# Altium PCB TopSheet.PcbDoc
Units mil, origin at the board's own origin, x right, y up, seen from the top; angles counter-clockwise.
Board outline 5000 x 5000 mil, 2 copper layers (Top Layer, Bottom Layer); 99 components, 47 nets, 191 pads, 21 vias.
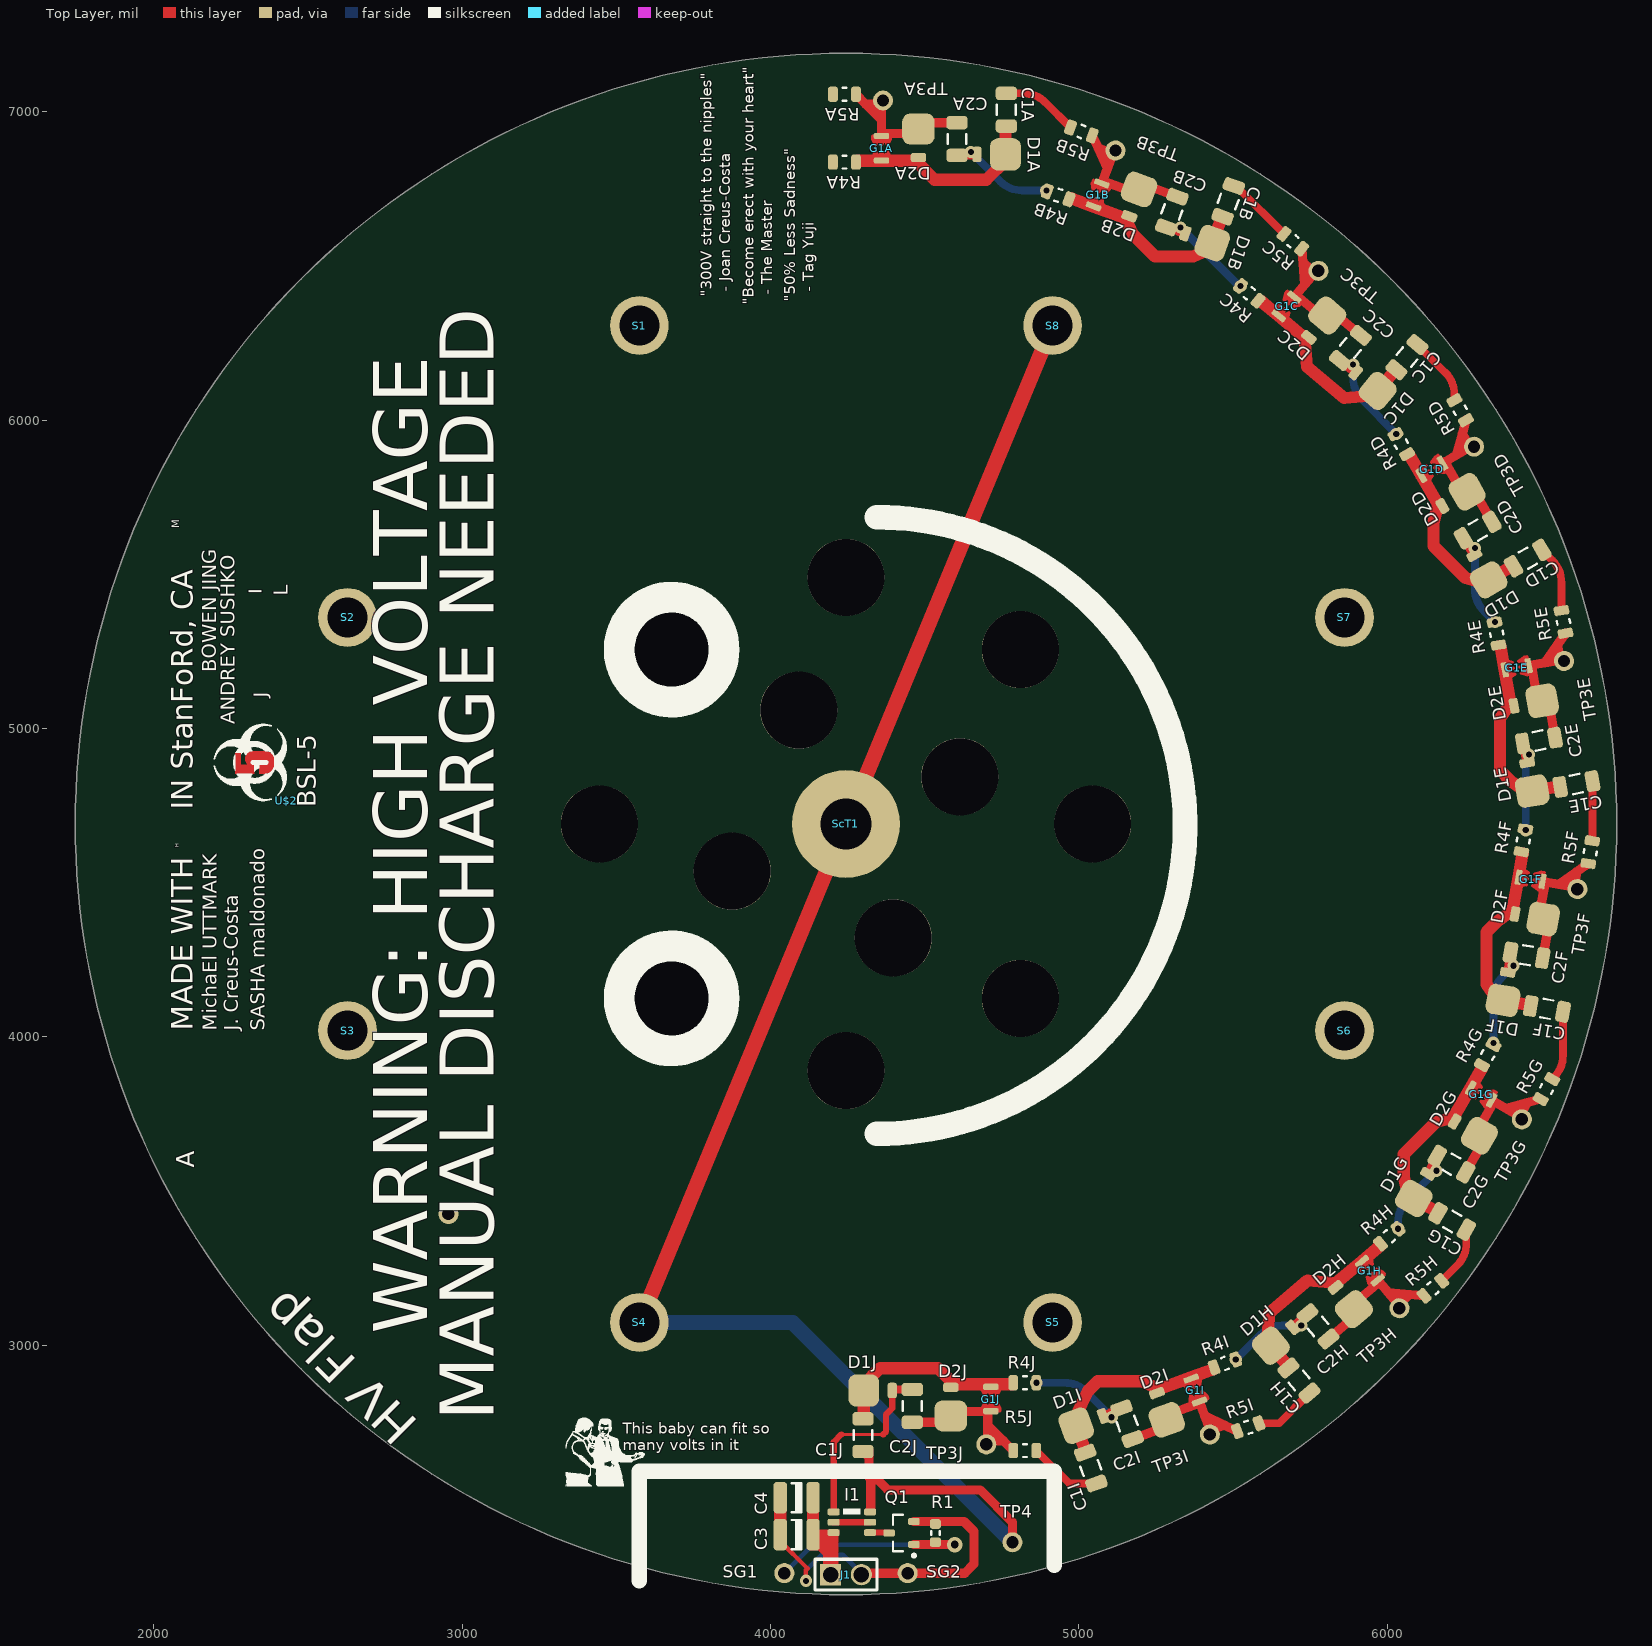
[diagram p0: Top Layer view]
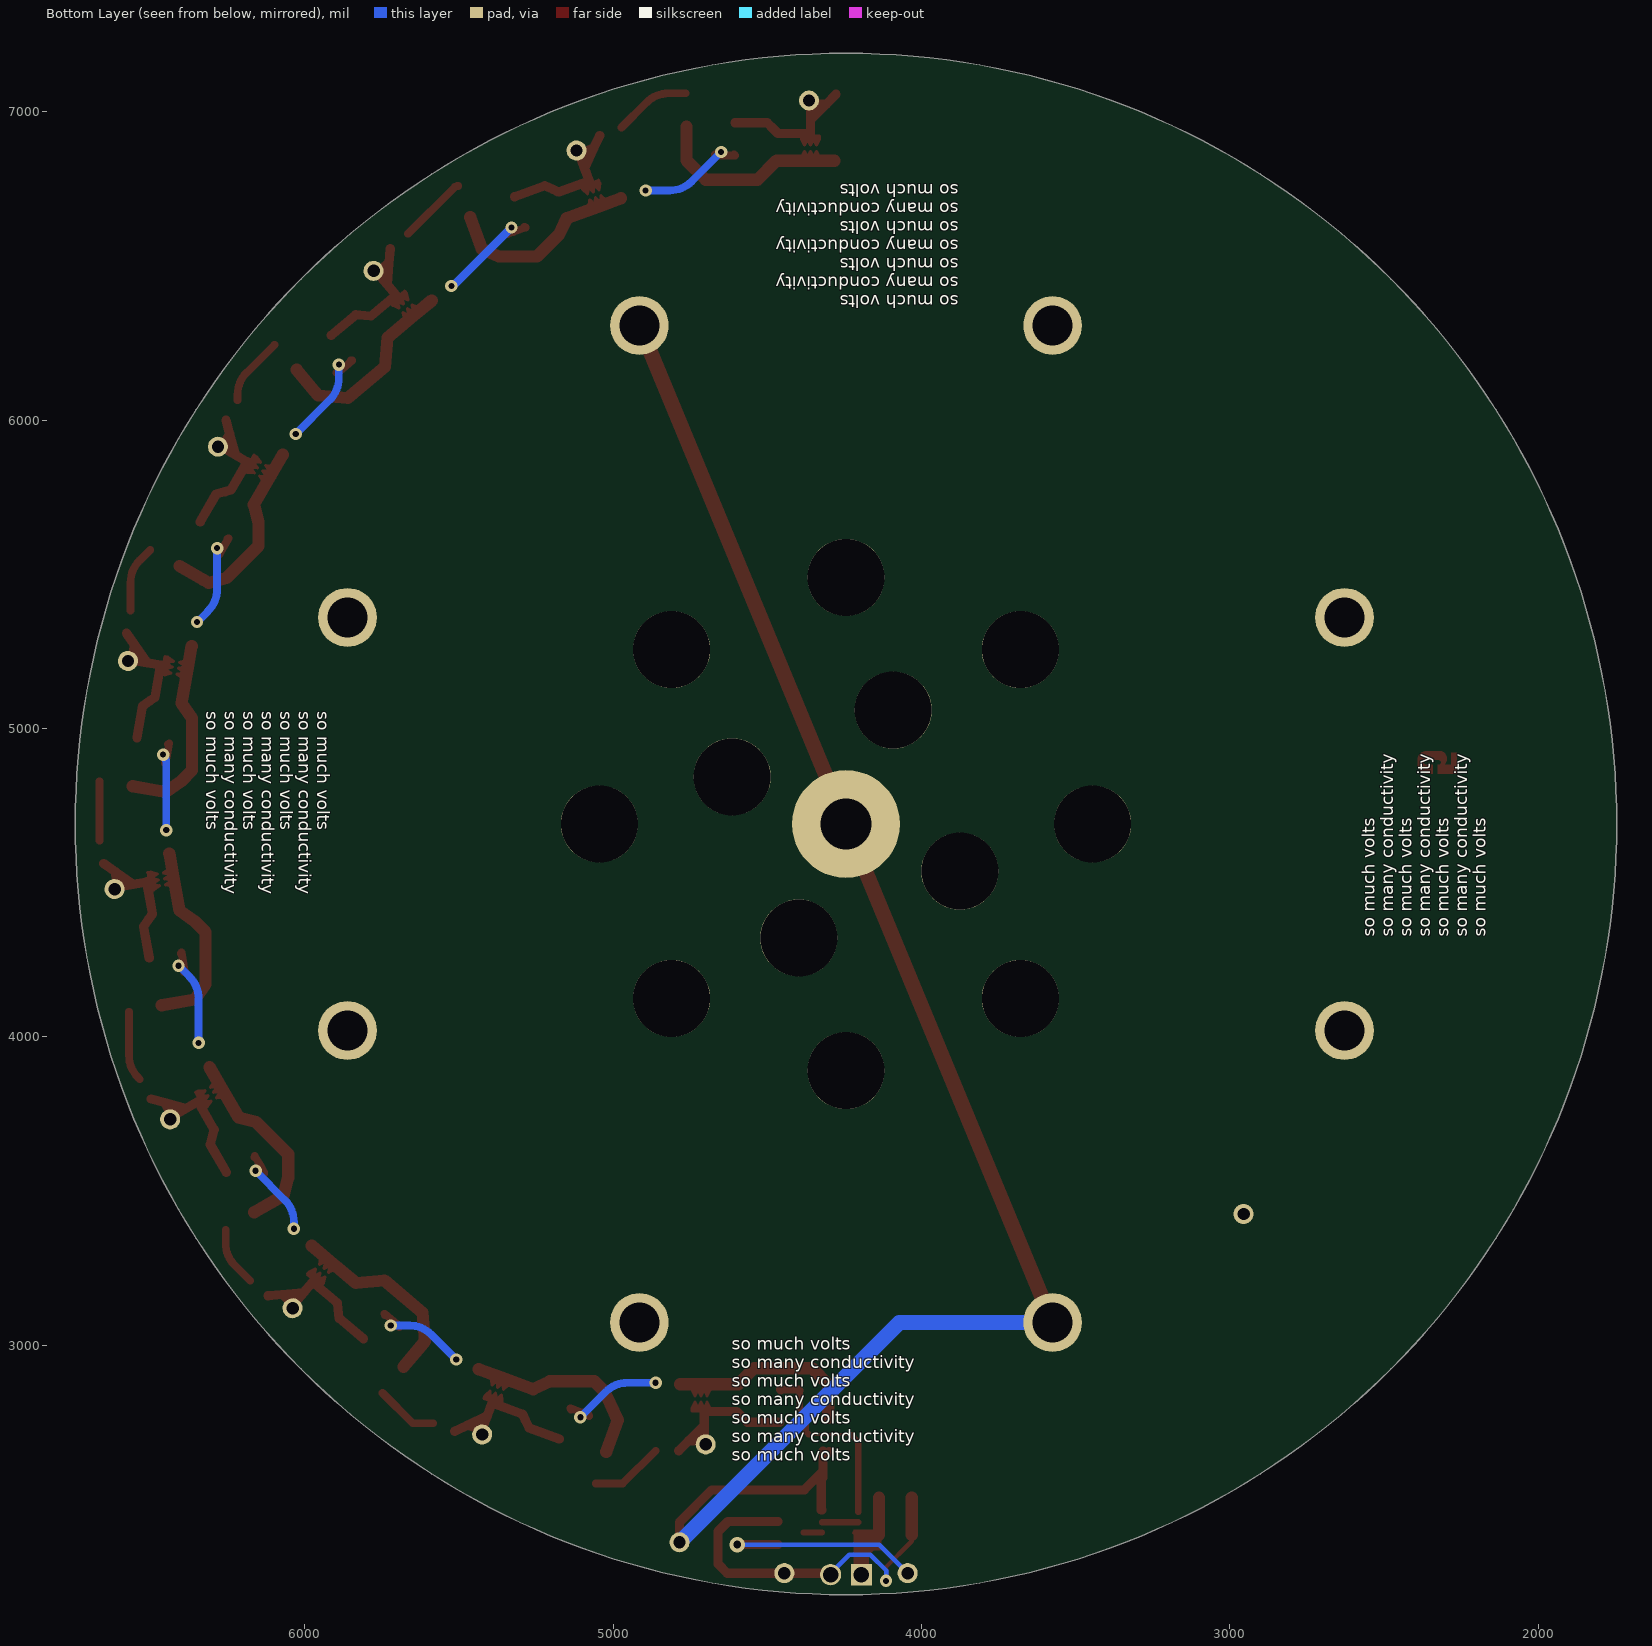
[diagram p1: Bottom Layer view, seen from below]
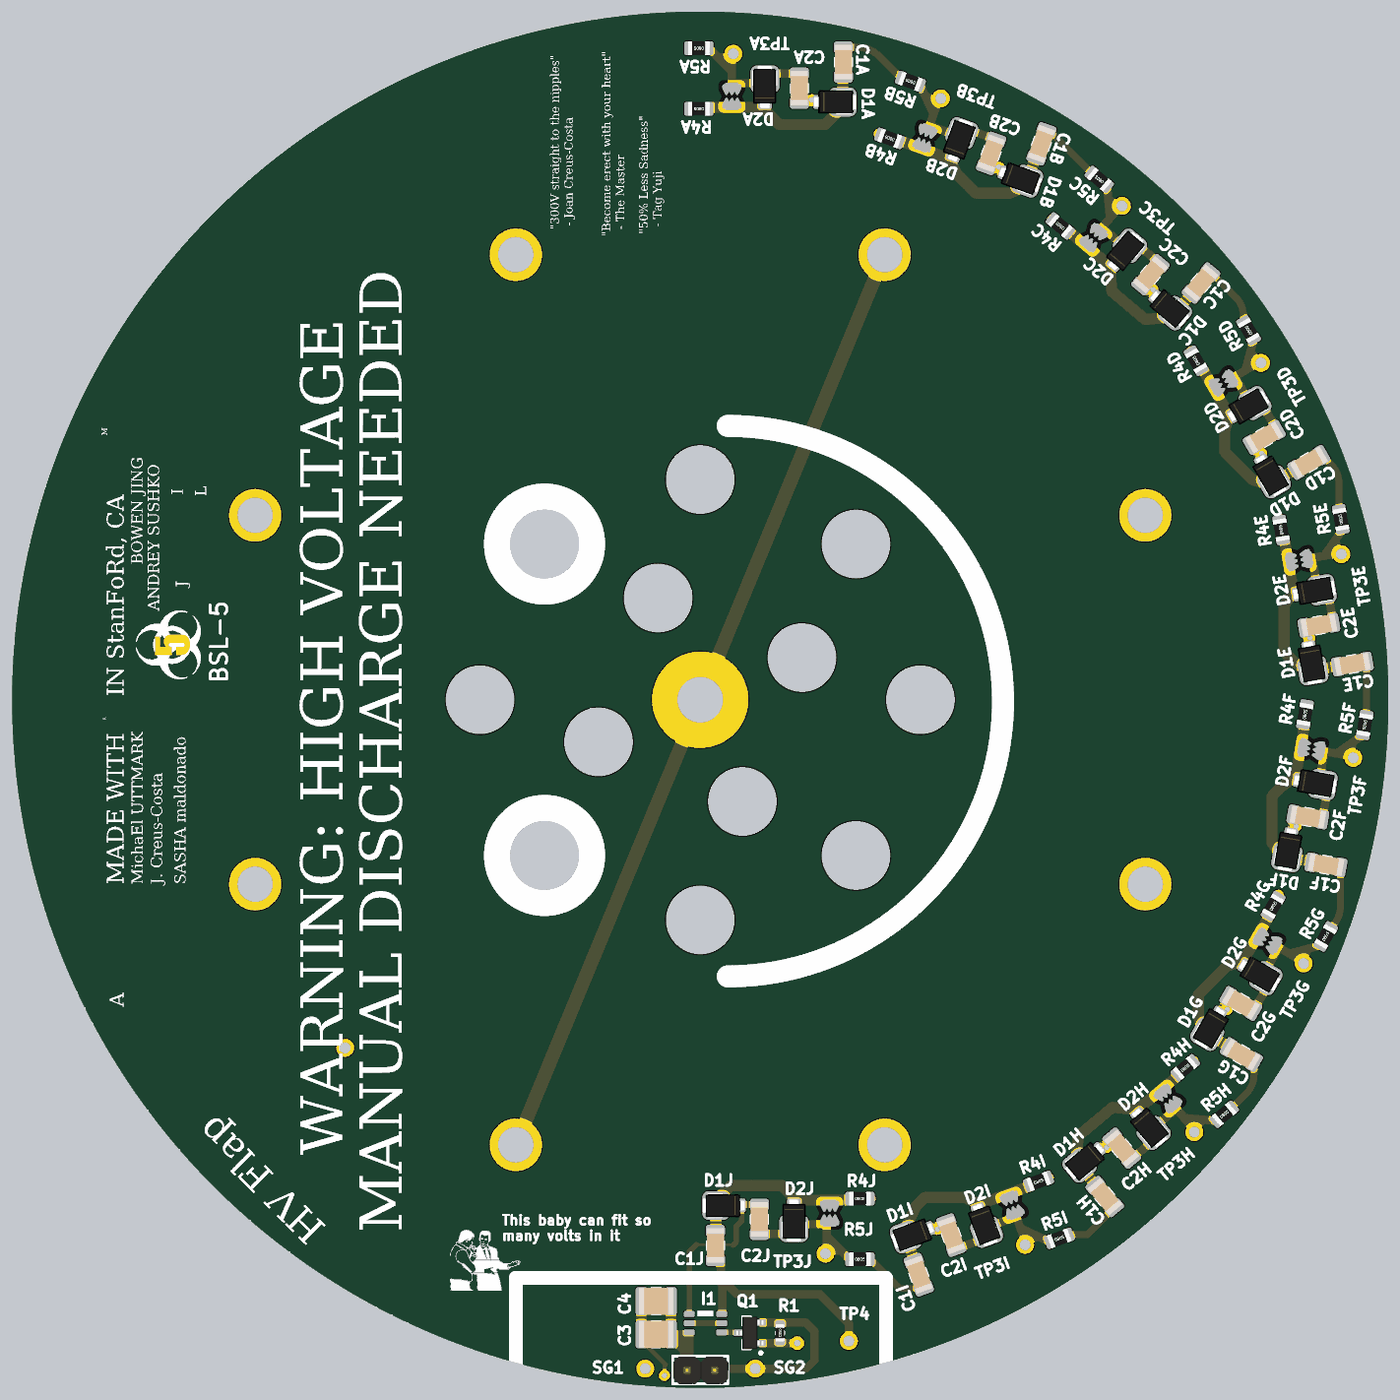
[diagram p2: 3D render of the assembled board from above, using the file's embedded part models]

## Layer stack, top to bottom
Top Solder: solder mask 0.4, Solder Resist, Dk 3.5
Top Layer: signal copper 1.4
Dielectric 1: dielectric 12.6, FR-4, Dk 4.8
Bottom Layer: signal copper 1.4
Bottom Solder: solder mask 0.4, Solder Resist, Dk 3.5

## Board outline
4245,2190 cw(c4245,4690) 1745,4690 cw(c4245,4690) 4245,7190 cw(c4245,4690) 6745,4690 cw(c4245,4690)

## Design rules (kind name [scope] priority, off if disabled: settings)
Clearance GAP [InComponentClass('GAP')] p1: gap=0 ignorepadtopadclearanceinfootprint=FALSE
Clearance Clearance_400VMax [(InComponentClass('400VMax') OR InNetClass('400VMax'))AND NOT(InComponentClass('GAP'))] p2: gap=20 ignorepadtopadclearanceinfootprint=TRUE
Clearance [All] p3: gap=10 ignorepadtopadclearanceinfootprint=FALSE except(0: Arc-Hole Track-Hole SMDPad-Hole THPad-Hole Via-Hole Fill-Hole Poly-Hole Region-Hole Text-Hole)
PolygonConnect [All] p1: connectstyle=Relief reliefconductorwidth=10 reliefentries=4 polygonreliefangle="90 Angle" airgapwidth=10
RoomDefinition U_CWStage9 [InComponentClass('U_CWStage9')] p1: confinementstyle=ConfineIn formatcopy=TRUE lockcomponents=FALSE outline 5005.68,2487.74 5644.67,2720.31 5531.17,3032.15 4892.18,2799.58
RoomDefinition U_CWStage10 [InComponentClass('U_CWStage10')] p2: confinementstyle=ConfineIn formatcopy=TRUE lockcomponents=FALSE outline 4230,2612.56 4910,2612.56 4910,2995 4230,2995
RoomDefinition U_CWStage8 [InComponentClass('U_CWStage8')] p3: confinementstyle=ConfineIn formatcopy=TRUE lockcomponents=FALSE outline 5721.78,2767.33 6242.69,3204.42 6029.38,3458.63 5508.47,3021.54
RoomDefinition U_CWStage7 [InComponentClass('U_CWStage7')] p4: confinementstyle=ConfineIn formatcopy=TRUE lockcomponents=FALSE outline 6258.52,3292.39 6598.52,3881.29 6311.12,4047.21 5971.13,3458.31
RoomDefinition U_CWStage6 [InComponentClass('U_CWStage6')] p5: confinementstyle=ConfineIn formatcopy=TRUE lockcomponents=FALSE outline 6599.83,4004.73 6717.91,4674.4 6391.1,4732.02 6273.02,4062.36
RoomDefinition U_CWStage5 [InComponentClass('U_CWStage5')] p6: confinementstyle=ConfineIn formatcopy=TRUE lockcomponents=FALSE outline 6719.71,4767.26 6601.63,5436.93 6274.82,5379.3 6392.9,4709.63
RoomDefinition U_CWStage3 [InComponentClass('U_CWStage3')] p7: confinementstyle=ConfineIn formatcopy=TRUE lockcomponents=FALSE outline 6179.16,6231.99 5658.25,6669.09 5444.94,6414.88 5965.85,5977.78
RoomDefinition U_CWStage2 [InComponentClass('U_CWStage2')] p8: confinementstyle=ConfineIn formatcopy=TRUE lockcomponents=FALSE outline 5582.93,6774.93 4943.94,7007.51 4830.44,6695.67 5469.44,6463.1
RoomDefinition U_CWStage1 [InComponentClass('U_CWStage1')] p9: confinementstyle=ConfineIn formatcopy=TRUE lockcomponents=FALSE outline 4835,7101.85 4155,7101.85 4155,6770 4835,6770
RoomDefinition U_CWStage4 [InComponentClass('U_CWStage4')] p10: confinementstyle=ConfineIn formatcopy=TRUE lockcomponents=FALSE outline 6573.52,5539.24 6233.52,6128.14 5946.12,5962.21 6286.12,5373.31
RoutingVias [All] p1: holewidth=28 width=50 viastyle="Through Hole" minholewidth=28 minwidth=50 maxholewidth=900 maxwidth=1000
ShortCircuit GAP_Short [InComponentClass('GAP')] p1: allowed=TRUE
ShortCircuit [All] p2: allowed=FALSE
SolderMaskExpansion [All] p1: expansion=4
Width [All] p1: maxlimit=60 minlimit=10 preferedwidth=25 minimp=50.000000 maximp=50.000000 favimp=50.000000
29 further rules are at their usual default settings.

## Classes and differential pairs
component class GAP: G1A G1B G1C G1D G1E G1F G1G G1H G1I G1J
net class 400VMax: HV_GND NetC1A_1 NetC1A_2 NetC1B_1 NetC1B_2 NetC1C_1 NetC1C_2 NetC1D_1 NetC1D_2 NetC1E_1 NetC1E_2 NetC1F_1 NetC1F_2 NetC1G_1 NetC1G_2 NetC1H_1 NetC1H_2 NetC1I_1 NetC1I_2 NetC1J_2 NetC2A_1 NetC2A_2 NetC2B_1 NetC2B_2 NetC2C_1 NetC2C_2 NetC2D_1 NetC2D_2 NetC2E_1 NetC2E_2 NetC2F_1 NetC2F_2 NetC2G_1 NetC2G_2 NetC2H_1 NetC2H_2 NetC2I_1 NetC2I_2 NetC2J_1 NetC2J_2 NetR4A_2 NetR5A_2
component class TopSheet: 10 C3 C4 I1 J1 Q1 R1 S1 S2 S3 S4 S5 S6 S7 S8 ScT1 SG1 SG2 TP4
component class U_CWStage1: C1A C2A D1A D2A G1A R4A R5A TP3A
component class U_CWStage2: C1B C2B D1B D2B G1B R4B R5B TP3B
component class U_CWStage3: C1C C2C D1C D2C G1C R4C R5C TP3C
component class U_CWStage4: C1D C2D D1D D2D G1D R4D R5D TP3D
component class U_CWStage5: C1E C2E D1E D2E G1E R4E R5E TP3E
component class U_CWStage6: C1F C2F D1F D2F G1F R4F R5F TP3F
component class U_CWStage7: C1G C2G D1G D2G G1G R4G R5G TP3G
component class U_CWStage8: C1H C2H D1H D2H G1H R4H R5H TP3H
component class U_CWStage9: C1I C2I D1I D2I G1I R4I R5I TP3I
component class U_CWStage10: C1J C2J D1J D2J G1J R4J R5J TP3J
channel class CWStage: U_CWStage1 U_CWStage2 U_CWStage3 U_CWStage4 U_CWStage5 U_CWStage6 U_CWStage7 U_CWStage8 U_CWStage9 U_CWStage10

## Components (designator, comment, footprint, x,y, rotation, side; value= is the part's Value field where it differs from the comment)
C1A "CAP_CER_10NF_1500V" C1206 4765,7006.85 r270 top (schematic designator C1)
C1B "CAP_CER_10NF_1500V" C1206 5484.66,6709.6 r250 top (schematic designator C1)
C1C "CAP_CER_10NF_1500V" C1206 6064.47,6204.21 r230 top (schematic designator C1)
C1D "CAP_CER_10NF_1500V" C1206 6456.24,5552.36 r210 top (schematic designator C1)
C1E "CAP_CER_10NF_1500V" C1206 6614,4819.7 r190 top (schematic designator C1)
C1F "CAP_CER_10NF_1500V" C1206 6518.43,4090.16 r170 top (schematic designator C1)
C1G "CAP_CER_10NF_1500V" C1206 6211.24,3400.51 r150 top (schematic designator C1)
C1H "CAP_CER_10NF_1500V" C1206 5714.33,2885.09 r130 top (schematic designator C1)
C1I "CAP_CER_10NF_1500V" C1206 5038.96,2600.95 r110 top (schematic designator C1)
C1J "CAP_CER_10NF_1500V" C1206 4300,2707.56 r90 top (schematic designator C1)
C2A "CAP_CER_10NF_1500V" C1206 4605,6911.85 r90 top (schematic designator C2)
C2B "CAP_CER_10NF_1500V" C1206 5301.82,6675.06 r70 top (schematic designator C2)
C2C "CAP_CER_10NF_1500V" C1206 5880.84,6234.28 r50 top (schematic designator C2)
C2D "CAP_CER_10NF_1500V" C1206 6293.97,5643.43 r30 top (schematic designator C2)
C2E "CAP_CER_10NF_1500V" C1206 6492.66,4960.77 r10 top (schematic designator C2)
C2F "CAP_CER_10NF_1500V" C1206 6452.66,4264.23 r350 top (schematic designator C2)
C2G "CAP_CER_10NF_1500V" C1206 6208.97,3586.57 r330 top (schematic designator C2)
C2H "CAP_CER_10NF_1500V" C1206 5775.84,3060.72 r310 top (schematic designator C2)
C2I "CAP_CER_10NF_1500V" C1206 5156.82,2744.94 r290 top (schematic designator C2)
C2J "CAP_CER_10NF_1500V" C1206 4460,2802.56 r270 top (schematic designator C2)
C3 "CAP_TANT_330UF_6.3V" C1210P 4085,2385 r180 top
C4 "CAP_TANT_330UF_6.3V" C1210P 4085,2505 r180 top
D1A "DIODE_ S1PM-M3/84A" DO-220AA 4762.56,6861.85 r180 top (schematic designator D1)
D1B "DIODE_ S1PM-M3/84A" DO-220AA 5432.78,6574.18 r160 top (schematic designator D1)
D1C "DIODE_ S1PM-M3/84A" DO-220AA 5969.39,6094.71 r140 top (schematic designator D1)
D1D "DIODE_ S1PM-M3/84A" DO-220AA 6329.45,5481.98 r120 top (schematic designator D1)
D1E "DIODE_ S1PM-M3/84A" DO-220AA 6470.78,4796.92 r100 top (schematic designator D1)
D1F "DIODE_ S1PM-M3/84A" DO-220AA 6376.06,4117.75 r80 top (schematic designator D1)
D1G "DIODE_ S1PM-M3/84A" DO-220AA 6086.89,3475.12 r60 top (schematic designator D1)
D1H "DIODE_ S1PM-M3/84A" DO-220AA 5623,2997.74 r40 top (schematic designator D1)
D1I "DIODE_ S1PM-M3/84A" DO-220AA 4991.66,2738.04 r20 top (schematic designator D1)
D1J "DIODE_ S1PM-M3/84A" DO-220AA 4302.44,2852.56 r0 top (schematic designator D1)
D2A "DIODE_ S1PM-M3/84A" DO-220AA 4480,6944.41 r270 top (schematic designator D2)
D2B "DIODE_ S1PM-M3/84A" DO-220AA 5195.5,6748.4 r250 top (schematic designator D2)
D2C "DIODE_ S1PM-M3/84A" DO-220AA 5806.01,6339.57 r230 top (schematic designator D2)
D2D "DIODE_ S1PM-M3/84A" DO-220AA 6259.67,5767.96 r210 top (schematic designator D2)
D2E "DIODE_ S1PM-M3/84A" DO-220AA 6503.02,5089.53 r190 top (schematic designator D2)
D2F "DIODE_ S1PM-M3/84A" DO-220AA 6506.43,4381.68 r170 top (schematic designator D2)
D2G "DIODE_ S1PM-M3/84A" DO-220AA 6299.67,3678.55 r150 top (schematic designator D2)
D2H "DIODE_ S1PM-M3/84A" DO-220AA 5892.52,3116.12 r130 top (schematic designator D2)
D2I "DIODE_ S1PM-M3/84A" DO-220AA 5285.42,2757.1 r110 top (schematic designator D2)
D2J "DIODE_ S1PM-M3/84A" DO-220AA 4585,2770 r90 top (schematic designator D2)
G1A "450V" SPARK_GAP_450V#1 4360,6901.85 r270 top (schematic designator G1)
G1B "450V" SPARK_GAP_450V#1 5068.18,6749.45 r250 top (schematic designator G1)
G1C "450V" SPARK_GAP_450V#1 5686.73,6384.11 r230 top (schematic designator G1)
G1D "450V" SPARK_GAP_450V#1 6162.81,5850.6 r210 top (schematic designator G1)
G1E "450V" SPARK_GAP_450V#1 6440.27,5200.31 r190 top (schematic designator G1)
G1F "450V" SPARK_GAP_450V#1 6485.35,4507.24 r170 top (schematic designator G1)
G1G "450V" SPARK_GAP_450V#1 6322.81,3803.75 r150 top (schematic designator G1)
G1H "450V" SPARK_GAP_450V#2 5957.09,3225.86 r130 top (schematic designator G1)
G1I "450V" SPARK_GAP_450V#3 5385,2835 r110 top (schematic designator G1)
G1J "450V" SPARK_GAP_450V#1 4715,2805 r90 top (schematic designator G1)
I1 "IND_ATB3225" ATB3225 4323.11,2391.54 r180 top
J1 "CONN HEADER 2POS VERT T/H" CONN_1x2_100MIL 4195,2255 r90 top
Q1 "MOSFET N-CH 60V 1.7A SSOT3" 3SOT23 4425,2390 r180 top
R1 "__template_resistor" R0603 4535,2390 r270 top
R4A "RES_0.0_OHM_1/8W_JUMP_0805_SMD" R0805 4240,6836.85 r180 top (schematic designator R4)
R4B "RES_0.0_OHM_1/8W_JUMP_0805_SMD" R0805 4933.18,6729.42 r160 top (schematic designator R4)
R4C "RES_0.0_OHM_1/8W_JUMP_0805_SMD" R0805 5553.02,6411.45 r140 top (schematic designator R4)
R4D "RES_0.0_OHM_1/8W_JUMP_0805_SMD" R0805 6046.52,5922.02 r120 top (schematic designator R4)
R4E "RES_0.0_OHM_1/8W_JUMP_0805_SMD" R0805 6355.42,5307.2 r100 top (schematic designator R4)
R4F "RES_0.0_OHM_1/8W_JUMP_0805_SMD" R0805 6442.18,4636.71 r80 top (schematic designator R4)
R4G "RES_0.0_OHM_1/8W_JUMP_0805_SMD" R0805 6326.52,3940.17 r60 top (schematic designator R4)
R4H "RES_0.0_OHM_1/8W_JUMP_0805_SMD" R0805 6007.23,3352.79 r40 top (schematic designator R4)
R4I "RES_0.0_OHM_1/8W_JUMP_0805_SMD" R0805 5474.16,2940.26 r20 top (schematic designator R4)
R4J "RES_0.0_OHM_1/8W_JUMP_0805_SMD" R0805 4825,2877.56 r0 top (schematic designator R4)
R5A "RES_0.0_OHM_1/8W_JUMP_0805_SMD" R0805 4240,7057.05 r180 top (schematic designator R5)
R5B "RES_0.0_OHM_1/8W_JUMP_0805_SMD" R0805 5008.49,6936.33 r160 top (schematic designator R5)
R5C "RES_0.0_OHM_1/8W_JUMP_0805_SMD" R0805 5694.56,6580.13 r140 top (schematic designator R5)
R5D "RES_0.0_OHM_1/8W_JUMP_0805_SMD" R0805 6237.22,6032.12 r120 top (schematic designator R5)
R5E "RES_0.0_OHM_1/8W_JUMP_0805_SMD" R0805 6572.27,5345.44 r100 top (schematic designator R5)
R5F "RES_0.0_OHM_1/8W_JUMP_0805_SMD" R0805 6659.03,4598.47 r80 top (schematic designator R5)
R5G "RES_0.0_OHM_1/8W_JUMP_0805_SMD" R0805 6517.22,3830.08 r60 top (schematic designator R5)